# KiCad board Ethernet controller W5500 board_panel.kicad_pcb
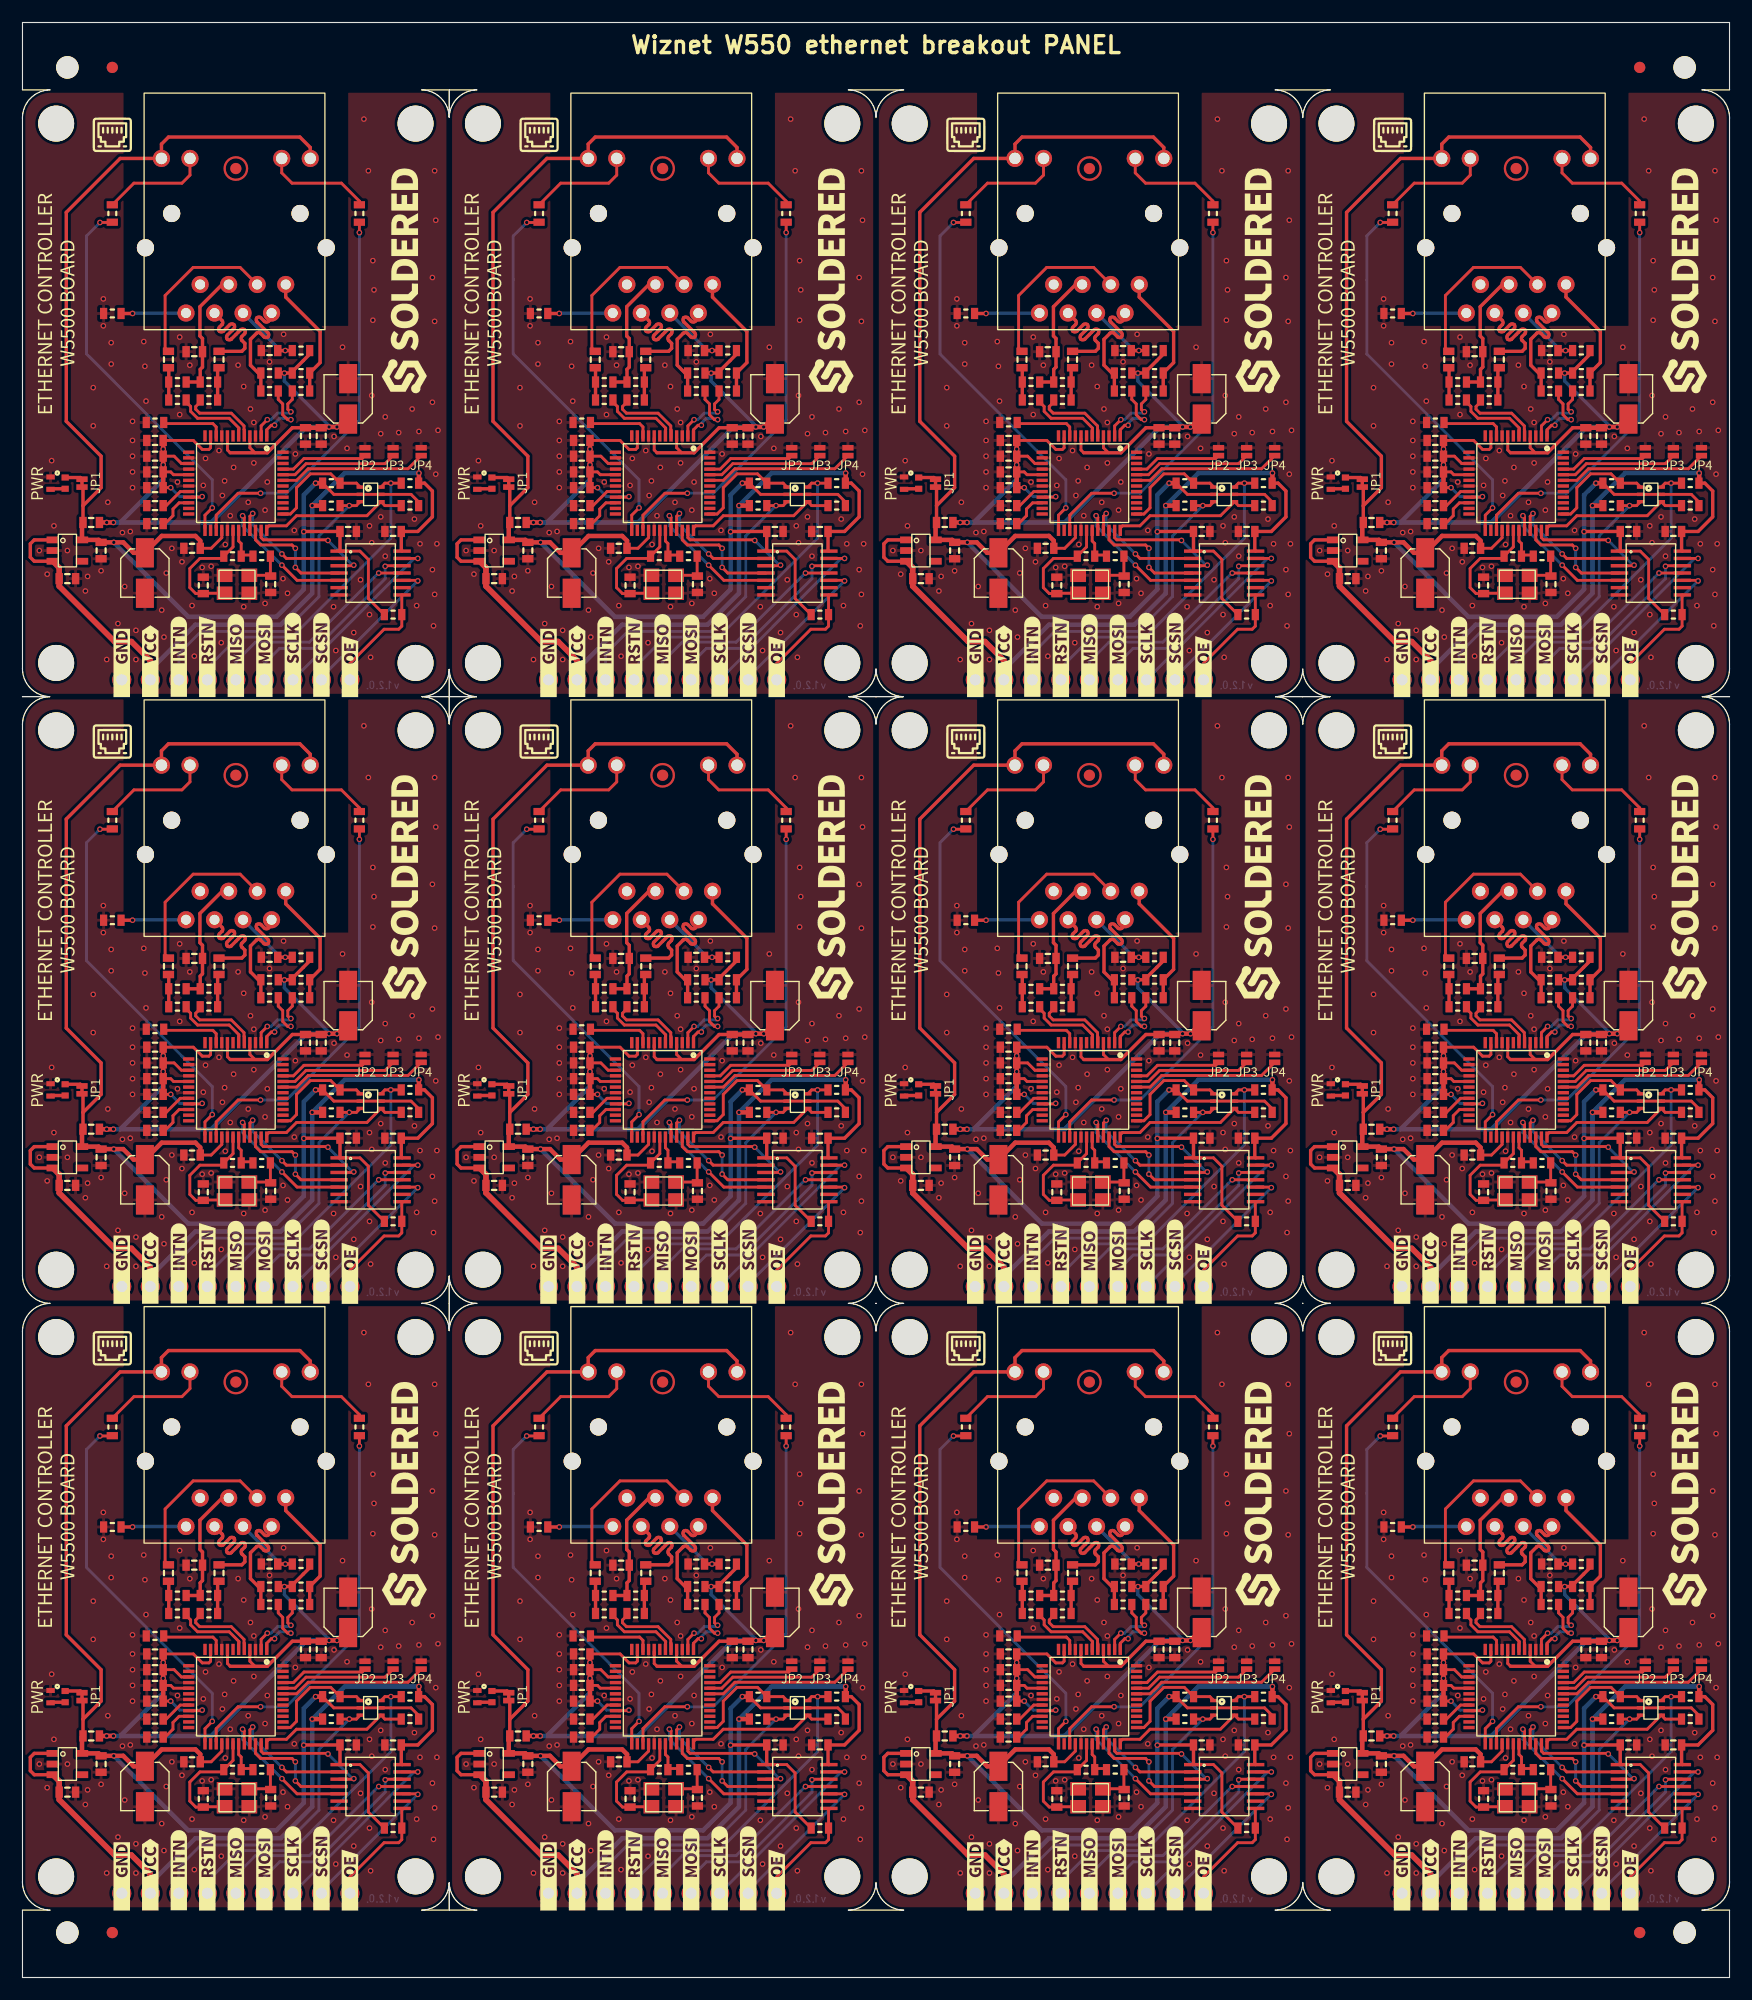
[diagram p0: board, top side]
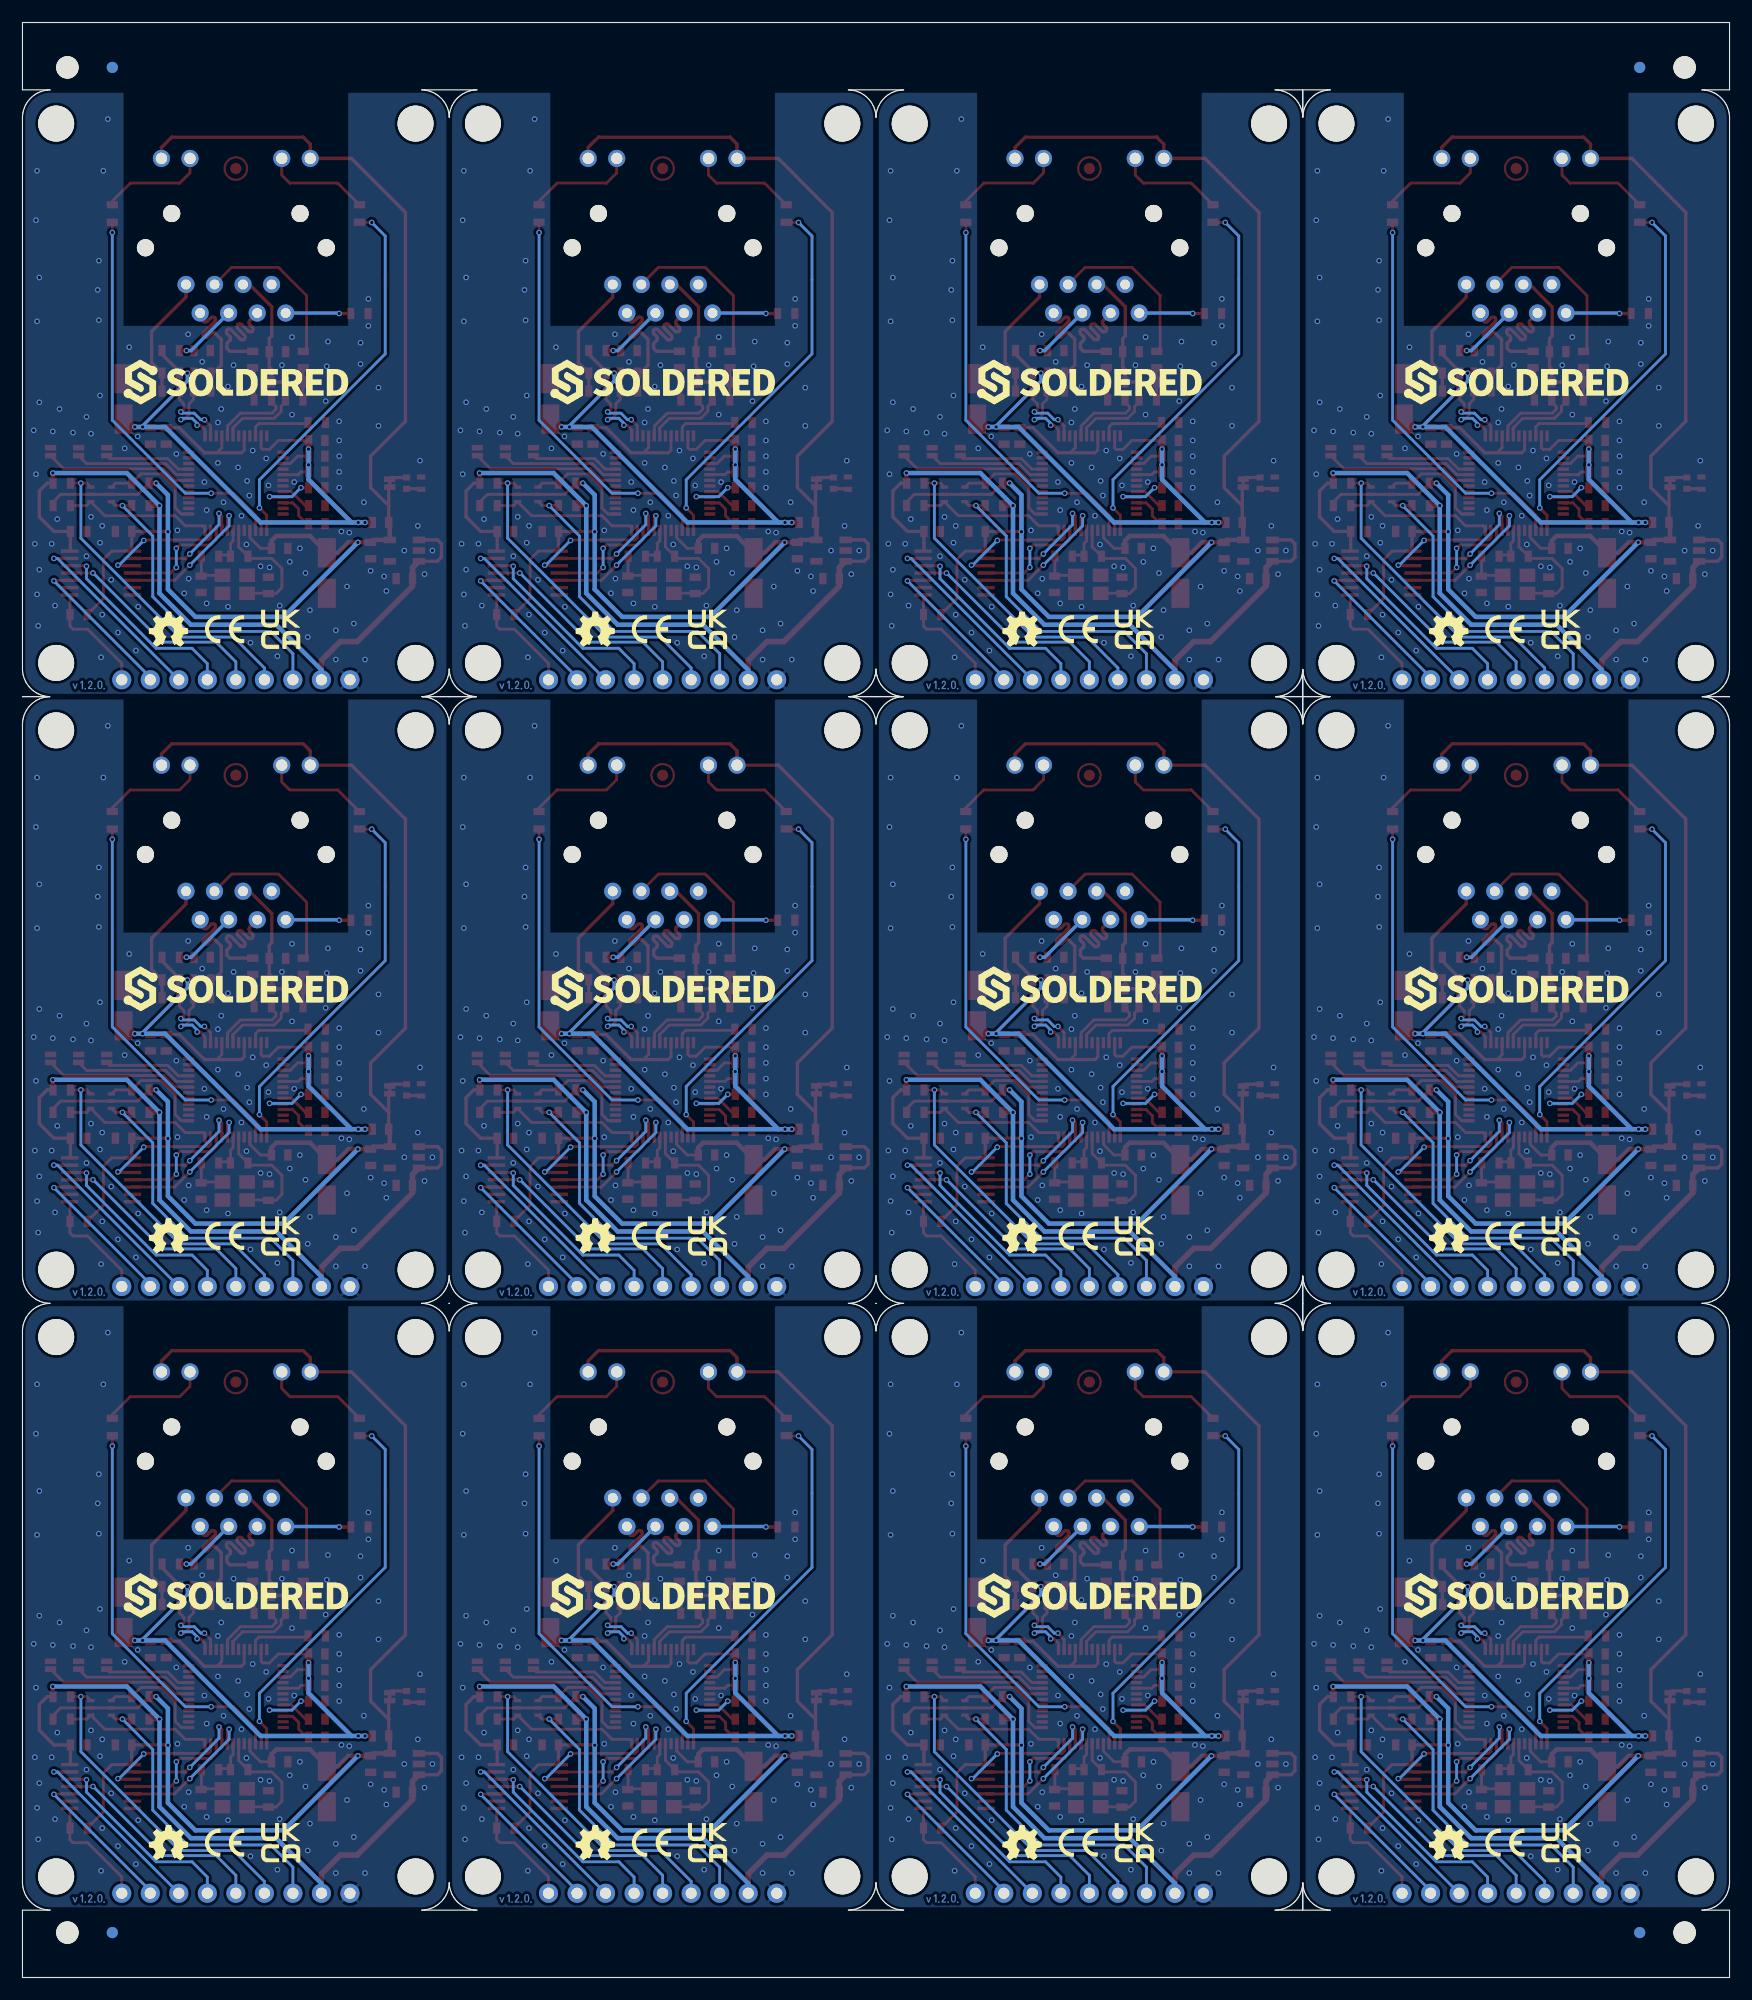
[diagram p1: board, bottom side, seen from below]

Outline 152 x 174 mm; copper layers: Top, Bottom. Coordinates in mm from the lower left corner of the outline.
Stack: Top 0.035mm / dielectric 1.51mm FR4 er 4.5 / Bottom 0.035mm

## Placement (name value [footprint] x y rotation side)
C1  EDK106M016A9BAA  [ELECTROLITIC_CAP_4mm]  143 32.5 90 top
C1#2  EDK106M016A9BAA  [ELECTROLITIC_CAP_4mm]  29 32.5 90 top
C1#3  EDK106M016A9BAA  [ELECTROLITIC_CAP_4mm]  29 140.5 90 top
C1#4  EDK106M016A9BAA  [ELECTROLITIC_CAP_4mm]  105 86.5 90 top
C1#5  EDK106M016A9BAA  [ELECTROLITIC_CAP_4mm]  29 86.5 90 top
C1#6  EDK106M016A9BAA  [ELECTROLITIC_CAP_4mm]  67 32.5 90 top
C1#7  EDK106M016A9BAA  [ELECTROLITIC_CAP_4mm]  105 32.5 90 top
C1#8  EDK106M016A9BAA  [ELECTROLITIC_CAP_4mm]  143 140.5 90 top
C1#9  EDK106M016A9BAA  [ELECTROLITIC_CAP_4mm]  67 140.5 90 top
C1#10  EDK106M016A9BAA  [ELECTROLITIC_CAP_4mm]  67 86.5 90 top
C1#11  EDK106M016A9BAA  [ELECTROLITIC_CAP_4mm]  105 140.5 90 top
C1#12  EDK106M016A9BAA  [ELECTROLITIC_CAP_4mm]  143 86.5 90 top
C2  100n  [0603C]  63.2 83.2 90 top
C2#2  100n  [0603C]  101.2 137.2 90 top
C2#3  100n  [0603C]  101.2 29.2 90 top
C2#4  100n  [0603C]  25.2 83.2 90 top
C2#5  100n  [0603C]  25.2 29.2 90 top
C2#6  100n  [0603C]  139.2 29.2 90 top
C2#7  100n  [0603C]  139.2 83.2 90 top
C2#8  100n  [0603C]  63.2 137.2 90 top
C2#9  100n  [0603C]  101.2 83.2 90 top
C2#10  100n  [0603C]  139.2 137.2 90 top
C2#11  100n  [0603C]  25.2 137.2 90 top
C2#12  100n  [0603C]  63.2 29.2 90 top
C3  100n  [0603C]  140.6 29.2 90 top
C3#2  100n  [0603C]  102.6 83.2 90 top
C3#3  100n  [0603C]  64.6 29.2 90 top
C3#4  100n  [0603C]  64.6 137.2 90 top
C3#5  100n  [0603C]  26.6 137.2 90 top
C3#6  100n  [0603C]  140.6 83.2 90 top
C3#7  100n  [0603C]  64.6 83.2 90 top
C3#8  100n  [0603C]  26.6 29.2 90 top
C3#9  100n  [0603C]  102.6 29.2 90 top
C3#10  100n  [0603C]  26.6 83.2 90 top
C3#11  100n  [0603C]  102.6 137.2 90 top
C3#12  100n  [0603C]  140.6 137.2 90 top
C4  100n  [0603C]  87.8 82.8 0 top
C4#2  100n  [0603C]  125.8 82.8 0 top
C4#3  100n  [0603C]  11.8 28.8 0 top
C4#4  100n  [0603C]  11.8 82.8 0 top
C4#5  100n  [0603C]  49.8 82.8 0 top
C4#6  100n  [0603C]  87.8 28.8 0 top
C4#7  100n  [0603C]  49.8 28.8 0 top
C4#8  100n  [0603C]  11.8 136.8 0 top
C4#9  100n  [0603C]  125.8 28.8 0 top
C4#10  100n  [0603C]  87.8 136.8 0 top
C4#11  100n  [0603C]  49.8 136.8 0 top
C4#12  100n  [0603C]  125.8 136.8 0 top
C5  100n  [0603C]  87.8 81.4 0 top
C5#2  100n  [0603C]  87.8 27.4 0 top
C5#3  100n  [0603C]  11.8 81.4 0 top
C5#4  100n  [0603C]  49.8 135.4 0 top
C5#5  100n  [0603C]  125.8 81.4 0 top
C5#6  100n  [0603C]  125.8 27.4 0 top
C5#7  100n  [0603C]  125.8 135.4 0 top
C5#8  100n  [0603C]  49.8 81.4 0 top
C5#9  100n  [0603C]  11.8 27.4 0 top
C5#10  100n  [0603C]  49.8 27.4 0 top
C5#11  100n  [0603C]  87.8 135.4 0 top
C5#12  100n  [0603C]  11.8 135.4 0 top
C6  100n  [0603C]  49.8 134 0 top
C6#2  100n  [0603C]  87.8 80 0 top
C6#3  100n  [0603C]  49.8 26 0 top
C6#4  100n  [0603C]  11.8 26 0 top
C6#5  100n  [0603C]  11.8 134 0 top
C6#6  100n  [0603C]  125.8 134 0 top
C6#7  100n  [0603C]  11.8 80 0 top
C6#8  100n  [0603C]  125.8 26 0 top
C6#9  100n  [0603C]  87.8 26 0 top
C6#10  100n  [0603C]  125.8 80 0 top
C6#11  100n  [0603C]  87.8 134 0 top
C6#12  100n  [0603C]  49.8 80 0 top
C7  10n  [0603C]  129.3 36.7 0 top
C7#2  10n  [0603C]  15.3 144.7 0 top
C7#3  10n  [0603C]  91.3 144.7 0 top
C7#4  10n  [0603C]  15.3 90.7 0 top
C7#5  10n  [0603C]  91.3 90.7 0 top
C7#6  10n  [0603C]  15.3 36.7 0 top
C7#7  10n  [0603C]  129.3 144.7 0 top
C7#8  10n  [0603C]  129.3 90.7 0 top
C7#9  10n  [0603C]  91.3 36.7 0 top
C7#10  10n  [0603C]  53.3 90.7 0 top
C7#11  10n  [0603C]  53.3 144.7 0 top
C7#12  10n  [0603C]  53.3 36.7 0 top
C8  100n  [0603C]  87.8 132.6 0 top
C8#2  100n  [0603C]  125.8 78.6 0 top
C8#3  100n  [0603C]  11.8 132.6 0 top
C8#4  100n  [0603C]  49.8 78.6 0 top
C8#5  100n  [0603C]  11.8 24.6 0 top
C8#6  100n  [0603C]  87.8 78.6 0 top
C8#7  100n  [0603C]  11.8 78.6 0 top
C8#8  100n  [0603C]  125.8 24.6 0 top
C8#9  100n  [0603C]  49.8 132.6 0 top
C8#10  100n  [0603C]  87.8 24.6 0 top
C8#11  100n  [0603C]  125.8 132.6 0 top
C8#12  100n  [0603C]  49.8 24.6 0 top
C9  6n8  [0603C]  131.5 144 270 top
C9#2  6n8  [0603C]  17.5 90 270 top
C9#3  6n8  [0603C]  131.5 36 270 top
C9#4  6n8  [0603C]  131.5 90 270 top
C9#5  6n8  [0603C]  55.5 90 270 top
C9#6  6n8  [0603C]  17.5 144 270 top
C9#7  6n8  [0603C]  17.5 36 270 top
C9#8  6n8  [0603C]  55.5 36 270 top
C9#9  6n8  [0603C]  93.5 36 270 top
C9#10  6n8  [0603C]  93.5 90 270 top
C9#11  6n8  [0603C]  55.5 144 270 top
C9#12  6n8  [0603C]  93.5 144 270 top
C10  6n8  [0603C]  51 144 270 top
C10#2  6n8  [0603C]  127 90 270 top
C10#3  6n8  [0603C]  127 144 270 top
C10#4  6n8  [0603C]  13 90 270 top
C10#5  6n8  [0603C]  51 36 270 top
C10#6  6n8  [0603C]  127 36 270 top
C10#7  6n8  [0603C]  13 36 270 top
C10#8  6n8  [0603C]  89 36 270 top
C10#9  6n8  [0603C]  51 90 270 top
C10#10  6n8  [0603C]  89 90 270 top
C10#11  6n8  [0603C]  89 144 270 top
C10#12  6n8  [0603C]  13 144 270 top
C11  22n  [0603C]  136 90.8 0 top
C11#2  22n  [0603C]  22 36.8 0 top
C11#3  22n  [0603C]  60 90.8 0 top
C11#4  22n  [0603C]  22 144.8 0 top
C11#5  22n  [0603C]  136 36.8 0 top
C11#6  22n  [0603C]  60 144.8 0 top
C11#7  22n  [0603C]  22 90.8 0 top
C11#8  22n  [0603C]  98 36.8 0 top
C11#9  22n  [0603C]  98 144.8 0 top
C11#10  22n  [0603C]  60 36.8 0 top
C11#11  22n  [0603C]  98 90.8 0 top
C11#12  22n  [0603C]  136 144.8 0 top
C12  4u7  [0603C]  87.8 77 0 top
C12#2  4u7  [0603C]  49.8 131 0 top
C12#3  4u7  [0603C]  49.8 77 0 top
C12#4  4u7  [0603C]  87.8 23 0 top
C12#5  4u7  [0603C]  125.8 131 0 top
C12#6  4u7  [0603C]  11.8 131 0 top
C12#7  4u7  [0603C]  11.8 77 0 top
C12#8  4u7  [0603C]  125.8 77 0 top
C12#9  4u7  [0603C]  49.8 23 0 top
C12#10  4u7  [0603C]  87.8 131 0 top
C12#11  4u7  [0603C]  125.8 23 0 top
C12#12  4u7  [0603C]  11.8 23 0 top
C13  10n  [0603C]  11.8 129.4 0 top
C13#2  10n  [0603C]  87.8 129.4 0 top
C13#3  10n  [0603C]  49.8 21.4 0 top
C13#4  10n  [0603C]  87.8 75.4 0 top
C13#5  10n  [0603C]  11.8 75.4 0 top
C13#6  10n  [0603C]  11.8 21.4 0 top
C13#7  10n  [0603C]  87.8 21.4 0 top
C13#8  10n  [0603C]  125.8 21.4 0 top
C13#9  10n  [0603C]  49.8 129.4 0 top
C13#10  10n  [0603C]  125.8 129.4 0 top
C13#11  10n  [0603C]  49.8 75.4 0 top
C13#12  10n  [0603C]  125.8 75.4 0 top
C14  100n  [0603C]  53.1 73.2 0 top
C14#2  100n  [0603C]  15.1 19.2 0 top
C14#3  100n  [0603C]  129.1 73.2 0 top
C14#4  100n  [0603C]  15.1 73.2 0 top
C14#5  100n  [0603C]  129.1 19.2 0 top
C14#6  100n  [0603C]  15.1 127.2 0 top
C14#7  100n  [0603C]  91.1 73.2 0 top
C14#8  100n  [0603C]  91.1 127.2 0 top
C14#9  100n  [0603C]  53.1 19.2 0 top
C14#10  100n  [0603C]  129.1 127.2 0 top
C14#11  100n  [0603C]  53.1 127.2 0 top
C14#12  100n  [0603C]  91.1 19.2 0 top
C15  EDK106M016A9BAA  [ELECTROLITIC_CAP_4mm]  10.9 17 270 top
C15#2  EDK106M016A9BAA  [ELECTROLITIC_CAP_4mm]  124.9 125 270 top
C15#3  EDK106M016A9BAA  [ELECTROLITIC_CAP_4mm]  48.9 17 270 top
C15#4  EDK106M016A9BAA  [ELECTROLITIC_CAP_4mm]  10.9 125 270 top
C15#5  EDK106M016A9BAA  [ELECTROLITIC_CAP_4mm]  86.9 125 270 top
C15#6  EDK106M016A9BAA  [ELECTROLITIC_CAP_4mm]  10.9 71 270 top
C15#7  EDK106M016A9BAA  [ELECTROLITIC_CAP_4mm]  124.9 17 270 top
C15#8  EDK106M016A9BAA  [ELECTROLITIC_CAP_4mm]  86.9 71 270 top
C15#9  EDK106M016A9BAA  [ELECTROLITIC_CAP_4mm]  124.9 71 270 top
C15#10  EDK106M016A9BAA  [ELECTROLITIC_CAP_4mm]  48.9 71 270 top
C15#11  EDK106M016A9BAA  [ELECTROLITIC_CAP_4mm]  48.9 125 270 top
C15#12  EDK106M016A9BAA  [ELECTROLITIC_CAP_4mm]  86.9 17 270 top
C16  18p  [0603C]  92.1 15.9 270 top
C16#2  18p  [0603C]  16.1 123.9 270 top
C16#3  18p  [0603C]  54.1 69.9 270 top
C16#4  18p  [0603C]  54.1 15.9 270 top
C16#5  18p  [0603C]  92.1 69.9 270 top
C16#6  18p  [0603C]  92.1 123.9 270 top
C16#7  18p  [0603C]  130.1 123.9 270 top
C16#8  18p  [0603C]  16.1 15.9 270 top
C16#9  18p  [0603C]  130.1 69.9 270 top
C16#10  18p  [0603C]  16.1 69.9 270 top
C16#11  18p  [0603C]  130.1 15.9 270 top
C16#12  18p  [0603C]  54.1 123.9 270 top
C17  18p  [0603C]  98.1 124 90 top
C17#2  18p  [0603C]  60.1 124 90 top
C17#3  18p  [0603C]  98.1 70 90 top
C17#4  18p  [0603C]  60.1 70 90 top
C17#5  18p  [0603C]  22.1 16 90 top
C17#6  18p  [0603C]  98.1 16 90 top
C17#7  18p  [0603C]  136.1 16 90 top
C17#8  18p  [0603C]  136.1 124 90 top
C17#9  18p  [0603C]  22.1 124 90 top
C17#10  18p  [0603C]  60.1 16 90 top
C17#11  18p  [0603C]  136.1 70 90 top
C17#12  18p  [0603C]  22.1 70 90 top
C18  2u2  [0603C]  4 70.5 180 top
C18#2  2u2  [0603C]  4 124.5 180 top
C18#3  2u2  [0603C]  80 70.5 180 top
C18#4  2u2  [0603C]  80 124.5 180 top
C18#5  2u2  [0603C]  80 16.5 180 top
C18#6  2u2  [0603C]  118 16.5 180 top
C18#7  2u2  [0603C]  118 124.5 180 top
C18#8  2u2  [0603C]  42 124.5 180 top
C18#9  2u2  [0603C]  4 16.5 180 top
C18#10  2u2  [0603C]  42 70.5 180 top
C18#11  2u2  [0603C]  42 16.5 180 top
C18#12  2u2  [0603C]  118 70.5 180 top
C19  2u2  [0603C]  83 127 90 top
C19#2  2u2  [0603C]  45 19 90 top
C19#3  2u2  [0603C]  45 127 90 top
C19#4  2u2  [0603C]  121 127 90 top
C19#5  2u2  [0603C]  7 73 90 top
C19#6  2u2  [0603C]  7 19 90 top
C19#7  2u2  [0603C]  121 19 90 top
C19#8  2u2  [0603C]  45 73 90 top
C19#9  2u2  [0603C]  83 73 90 top
C19#10  2u2  [0603C]  83 19 90 top
C19#11  2u2  [0603C]  7 127 90 top
C19#12  2u2  [0603C]  121 73 90 top
C20  100n  [0603C]  29 74.7 180 top
C20#2  100n  [0603C]  67 20.7 180 top
C20#3  100n  [0603C]  143 74.7 180 top
C20#4  100n  [0603C]  143 20.7 180 top
C20#5  100n  [0603C]  29 128.7 180 top
C20#6  100n  [0603C]  105 20.7 180 top
C20#7  100n  [0603C]  143 128.7 180 top
C20#8  100n  [0603C]  67 74.7 180 top
C20#9  100n  [0603C]  105 128.7 180 top
C20#10  100n  [0603C]  105 74.7 180 top
C20#11  100n  [0603C]  67 128.7 180 top
C20#12  100n  [0603C]  29 20.7 180 top
C21  100n  [0603C]  71 128.7 180 top
C21#2  100n  [0603C]  33 20.7 180 top
C21#3  100n  [0603C]  33 74.7 180 top
C21#4  100n  [0603C]  71 74.7 180 top
C21#5  100n  [0603C]  109 128.7 180 top
C21#6  100n  [0603C]  71 20.7 180 top
C21#7  100n  [0603C]  33 128.7 180 top
C21#8  100n  [0603C]  147 74.7 180 top
C21#9  100n  [0603C]  147 128.7 180 top
C21#10  100n  [0603C]  147 20.7 180 top
C21#11  100n  [0603C]  109 74.7 180 top
C21#12  100n  [0603C]  109 20.7 180 top
D1  purple  [0402LED]  40.5 25 90 top
D1#2  purple  [0402LED]  2.5 79 90 top
D1#3  purple  [0402LED]  78.5 133 90 top
D1#4  purple  [0402LED]  78.5 79 90 top
D1#5  purple  [0402LED]  40.5 79 90 top
D1#6  purple  [0402LED]  116.5 25 90 top
D1#7  purple  [0402LED]  40.5 133 90 top
D1#8  purple  [0402LED]  116.5 79 90 top
D1#9  purple  [0402LED]  2.5 133 90 top
D1#10  purple  [0402LED]  78.5 25 90 top
D1#11  purple  [0402LED]  116.5 133 90 top
D1#12  purple  [0402LED]  2.5 25 90 top
FB1  MMZ1608S601ATA00  [0603L]  44.1 21.5 0 top
FB1#2  MMZ1608S601ATA00  [0603L]  44.1 75.5 0 top
FB1#3  MMZ1608S601ATA00  [0603L]  6.1 129.5 0 top
FB1#4  MMZ1608S601ATA00  [0603L]  120.1 21.5 0 top
FB1#5  MMZ1608S601ATA00  [0603L]  6.1 75.5 0 top
FB1#6  MMZ1608S601ATA00  [0603L]  6.1 21.5 0 top
FB1#7  MMZ1608S601ATA00  [0603L]  82.1 21.5 0 top
FB1#8  MMZ1608S601ATA00  [0603L]  44.1 129.5 0 top
FB1#9  MMZ1608S601ATA00  [0603L]  120.1 75.5 0 top
FB1#10  MMZ1608S601ATA00  [0603L]  82.1 129.5 0 top
FB1#11  MMZ1608S601ATA00  [0603L]  82.1 75.5 0 top
FB1#12  MMZ1608S601ATA00  [0603L]  120.1 129.5 0 top
FD1  FIDUCIAL  [FIDUCIAL_23]  19 53 0 top
FD1#2  FIDUCIAL  [FIDUCIAL_23]  19 161 0 top
FD1#3  FIDUCIAL  [FIDUCIAL_23]  57 161 0 top
FD1#4  FIDUCIAL  [FIDUCIAL_23]  57 107 0 top
FD1#5  FIDUCIAL  [FIDUCIAL_23]  133 53 0 top
FD1#6  FIDUCIAL  [FIDUCIAL_23]  19 107 0 top
FD1#7  FIDUCIAL  [FIDUCIAL_23]  95 53 0 top
FD1#8  FIDUCIAL  [FIDUCIAL_23]  133 107 0 top
FD1#9  FIDUCIAL  [FIDUCIAL_23]  133 161 0 top
FD1#10  FIDUCIAL  [FIDUCIAL_23]  95 107 0 top
FD1#11  FIDUCIAL  [FIDUCIAL_23]  95 161 0 top
FD1#12  FIDUCIAL  [FIDUCIAL_23]  57 53 0 top
G***  LOGO  [Symbol-Front-Ethernet]  46 110 0 top
G***#2  LOGO  [Symbol-Front-Ethernet]  122 164 0 top
G***#3  LOGO  [Logo-Back-OSH-3.5mm]  139 66 0 top
G***#4  LOGO  [Logo-Back-OSH-3.5mm]  101 120 0 top
G***#5  LOGO  [Symbol-Front-Ethernet]  8 164 0 top
G***#6  LOGO  [Logo-Back-OSH-3.5mm]  25 120 0 top
G***#7  LOGO  [Logo-Back-OSH-3.5mm]  25 66 0 top
G***#8  LOGO  [Logo-Back-OSH-3.5mm]  139 12 0 top
G***#9  LOGO  [Logo-Back-OSH-3.5mm]  101 12 0 top
G***#10  LOGO  [Logo-Back-OSH-3.5mm]  139 120 0 top
G***#11  LOGO  [Logo-Back-OSH-3.5mm]  63 12 0 top
G***#12  LOGO  [Symbol-Front-Ethernet]  8 110 0 top
G***#13  LOGO  [Symbol-Front-Ethernet]  46 56 0 top
G***#14  LOGO  [Logo-Back-OSH-3.5mm]  101 66 0 top
G***#15  LOGO  [Symbol-Front-Ethernet]  84 56 0 top
G***#16  LOGO  [Symbol-Front-Ethernet]  122 56 0 top
G***#17  LOGO  [Logo-Back-OSH-3.5mm]  25 12 0 top
G***#18  LOGO  [Logo-Back-OSH-3.5mm]  63 66 0 top
G***#19  LOGO  [Symbol-Front-Ethernet]  84 164 0 top
G***#20  LOGO  [Logo-Back-OSH-3.5mm]  63 120 0 top
G***#21  LOGO  [Symbol-Front-Ethernet]  8 56 0 top
G***#22  LOGO  [Symbol-Front-Ethernet]  122 110 0 top
G***#23  LOGO  [Symbol-Front-Ethernet]  84 110 0 top
G***#24  LOGO  [Symbol-Front-Ethernet]  46 164 0 top
H1  -  [HOLE_3.2mm]  117 117 0 top
H1#2  -  [HOLE_3.2mm]  41 9 0 top
H1#3  -  [HOLE_3.2mm]  79 9 0 top
H1#4  -  [HOLE_3.2mm]  3 117 0 top
H1#5  -  [HOLE_3.2mm]  41 63 0 top
H1#6  -  [HOLE_3.2mm]  79 63 0 top
H1#7  -  [HOLE_3.2mm]  117 63 0 top
H1#8  -  [HOLE_3.2mm]  3 9 0 top
H1#9  -  [HOLE_3.2mm]  41 117 0 top
H1#10  -  [HOLE_3.2mm]  3 63 0 top
H1#11  -  [HOLE_3.2mm]  79 117 0 top
H1#12  -  [HOLE_3.2mm]  117 9 0 top
H2  -  [HOLE_3.2mm]  73 63 0 top
H2#2  -  [HOLE_3.2mm]  73 9 0 top
H2#3  -  [HOLE_3.2mm]  111 117 0 top
H2#4  -  [HOLE_3.2mm]  149 117 0 top
H2#5  -  [HOLE_3.2mm]  111 63 0 top
H2#6  -  [HOLE_3.2mm]  35 117 0 top
H2#7  -  [HOLE_3.2mm]  35 9 0 top
H2#8  -  [HOLE_3.2mm]  73 117 0 top
H2#9  -  [HOLE_3.2mm]  149 9 0 top
H2#10  -  [HOLE_3.2mm]  149 63 0 top
H2#11  -  [HOLE_3.2mm]  35 63 0 top
H2#12  -  [HOLE_3.2mm]  111 9 0 top
H3  -  [HOLE_3.2mm]  41 165 0 top
H3#2  -  [HOLE_3.2mm]  3 111 0 top
H3#3  -  [HOLE_3.2mm]  117 165 0 top
H3#4  -  [HOLE_3.2mm]  41 57 0 top
H3#5  -  [HOLE_3.2mm]  3 57 0 top
H3#6  -  [HOLE_3.2mm]  41 111 0 top
H3#7  -  [HOLE_3.2mm]  79 111 0 top
H3#8  -  [HOLE_3.2mm]  117 111 0 top
H3#9  -  [HOLE_3.2mm]  117 57 0 top
H3#10  -  [HOLE_3.2mm]  79 165 0 top
H3#11  -  [HOLE_3.2mm]  3 165 0 top
H3#12  -  [HOLE_3.2mm]  79 57 0 top
H4  -  [HOLE_3.2mm]  149 111 0 top
H4#2  -  [HOLE_3.2mm]  35 57 0 top
H4#3  -  [HOLE_3.2mm]  149 165 0 top
H4#4  -  [HOLE_3.2mm]  35 111 0 top
H4#5  -  [HOLE_3.2mm]  111 111 0 top
H4#6  -  [HOLE_3.2mm]  73 165 0 top
H4#7  -  [HOLE_3.2mm]  111 57 0 top
H4#8  -  [HOLE_3.2mm]  149 57 0 top
H4#9  -  [HOLE_3.2mm]  73 111 0 top
H4#10  -  [HOLE_3.2mm]  73 57 0 top
H4#11  -  [HOLE_3.2mm]  35 165 0 top
H4#12  -  [HOLE_3.2mm]  111 165 0 top
JP1  -  [SMD-JUMPER-CONNECTED_TRACE_SLODERMASK]  81.3 133 90 top
JP1#2  -  [SMD-JUMPER-CONNECTED_TRACE_SLODERMASK]  81.3 79 90 top
JP1#3  -  [SMD-JUMPER-CONNECTED_TRACE_SLODERMASK]  119.3 133 90 top
JP1#4  -  [SMD-JUMPER-CONNECTED_TRACE_SLODERMASK]  119.3 79 90 top
JP1#5  -  [SMD-JUMPER-CONNECTED_TRACE_SLODERMASK]  5.3 25 90 top
JP1#6  -  [SMD-JUMPER-CONNECTED_TRACE_SLODERMASK]  5.3 133 90 top
JP1#7  -  [SMD-JUMPER-CONNECTED_TRACE_SLODERMASK]  43.3 133 90 top
JP1#8  -  [SMD-JUMPER-CONNECTED_TRACE_SLODERMASK]  5.3 79 90 top
JP1#9  -  [SMD-JUMPER-CONNECTED_TRACE_SLODERMASK]  43.3 79 90 top
JP1#10  -  [SMD-JUMPER-CONNECTED_TRACE_SLODERMASK]  43.3 25 90 top
JP1#11  -  [SMD-JUMPER-CONNECTED_TRACE_SLODERMASK]  119.3 25 90 top
JP1#12  -  [SMD-JUMPER-CONNECTED_TRACE_SLODERMASK]  81.3 25 90 top
JP2  -  [SMD_JUMPER]  106.5 135.8 270 top
JP2#2  -  [SMD_JUMPER]  144.5 81.8 270 top
JP2#3  -  [SMD_JUMPER]  68.5 135.8 270 top
JP2#4  -  [SMD_JUMPER]  144.5 27.8 270 top
JP2#5  -  [SMD_JUMPER]  30.5 135.8 270 top
JP2#6  -  [SMD_JUMPER]  106.5 27.8 270 top
JP2#7  -  [SMD_JUMPER]  68.5 27.8 270 top
JP2#8  -  [SMD_JUMPER]  144.5 135.8 270 top
JP2#9  -  [SMD_JUMPER]  106.5 81.8 270 top
JP2#10  -  [SMD_JUMPER]  30.5 27.8 270 top
JP2#11  -  [SMD_JUMPER]  68.5 81.8 270 top
JP2#12  -  [SMD_JUMPER]  30.5 81.8 270 top
JP3  -  [SMD_JUMPER]  109 27.8 270 top
JP3#2  -  [SMD_JUMPER]  71 81.8 270 top
JP3#3  -  [SMD_JUMPER]  33 81.8 270 top
JP3#4  -  [SMD_JUMPER]  33 135.8 270 top
JP3#5  -  [SMD_JUMPER]  33 27.8 270 top
JP3#6  -  [SMD_JUMPER]  147 27.8 270 top
JP3#7  -  [SMD_JUMPER]  109 135.8 270 top
JP3#8  -  [SMD_JUMPER]  71 27.8 270 top
JP3#9  -  [SMD_JUMPER]  147 135.8 270 top
JP3#10  -  [SMD_JUMPER]  109 81.8 270 top
JP3#11  -  [SMD_JUMPER]  147 81.8 270 top
JP3#12  -  [SMD_JUMPER]  71 135.8 270 top
JP4  -  [SMD_JUMPER]  111.5 135.8 270 top
JP4#2  -  [SMD_JUMPER]  73.5 135.8 270 top
JP4#3  -  [SMD_JUMPER]  35.5 27.8 270 top
JP4#4  -  [SMD_JUMPER]  73.5 27.8 270 top
JP4#5  -  [SMD_JUMPER]  73.5 81.8 270 top
JP4#6  -  [SMD_JUMPER]  149.5 81.8 270 top
JP4#7  -  [SMD_JUMPER]  111.5 27.8 270 top
JP4#8  -  [SMD_JUMPER]  35.5 135.8 270 top
JP4#9  -  [SMD_JUMPER]  35.5 81.8 270 top
JP4#10  -  [SMD_JUMPER]  149.5 135.8 270 top
JP4#11  -  [SMD_JUMPER]  111.5 81.8 270 top
JP4#12  -  [SMD_JUMPER]  149.5 27.8 270 top
K1  HR_913550A  [HR913550A]  19 103 0 top
K1#2  HR_913550A  [HR913550A]  133 103 0 top
K1#3  HR_913550A  [HR913550A]  19 49 0 top
K1#4  HR_913550A  [HR913550A]  57 49 0 top
K1#5  HR_913550A  [HR913550A]  19 157 0 top
K1#6  HR_913550A  [HR913550A]  95 103 0 top
K1#7  HR_913550A  [HR913550A]  57 157 0 top
K1#8  HR_913550A  [HR913550A]  95 49 0 top
K1#9  HR_913550A  [HR913550A]  133 49 0 top
K1#10  HR_913550A  [HR913550A]  133 157 0 top
K1#11  HR_913550A  [HR913550A]  95 157 0 top
K1#12  HR_913550A  [HR913550A]  57 103 0 top
K2  -  [HEADER_MALE_9X1]  57 7.5 0 top
K2#2  -  [HEADER_MALE_9X1]  19 115.5 0 top
K2#3  -  [HEADER_MALE_9X1]  133 7.5 0 top
K2#4  -  [HEADER_MALE_9X1]  133 115.5 0 top
K2#5  -  [HEADER_MALE_9X1]  133 61.5 0 top
K2#6  -  [HEADER_MALE_9X1]  57 61.5 0 top
K2#7  -  [HEADER_MALE_9X1]  19 61.5 0 top
K2#8  -  [HEADER_MALE_9X1]  95 61.5 0 top
K2#9  -  [HEADER_MALE_9X1]  95 115.5 0 top
K2#10  -  [HEADER_MALE_9X1]  57 115.5 0 top
K2#11  -  [HEADER_MALE_9X1]  95 7.5 0 top
K2#12  -  [HEADER_MALE_9X1]  19 7.5 0 top
kibuzzard-6412C5EF  G***  [kibuzzard-6412C5EF]  78 149 90 top